# Altium PCB miniBackplane.PcbDoc (part 13 of 24) (continued)
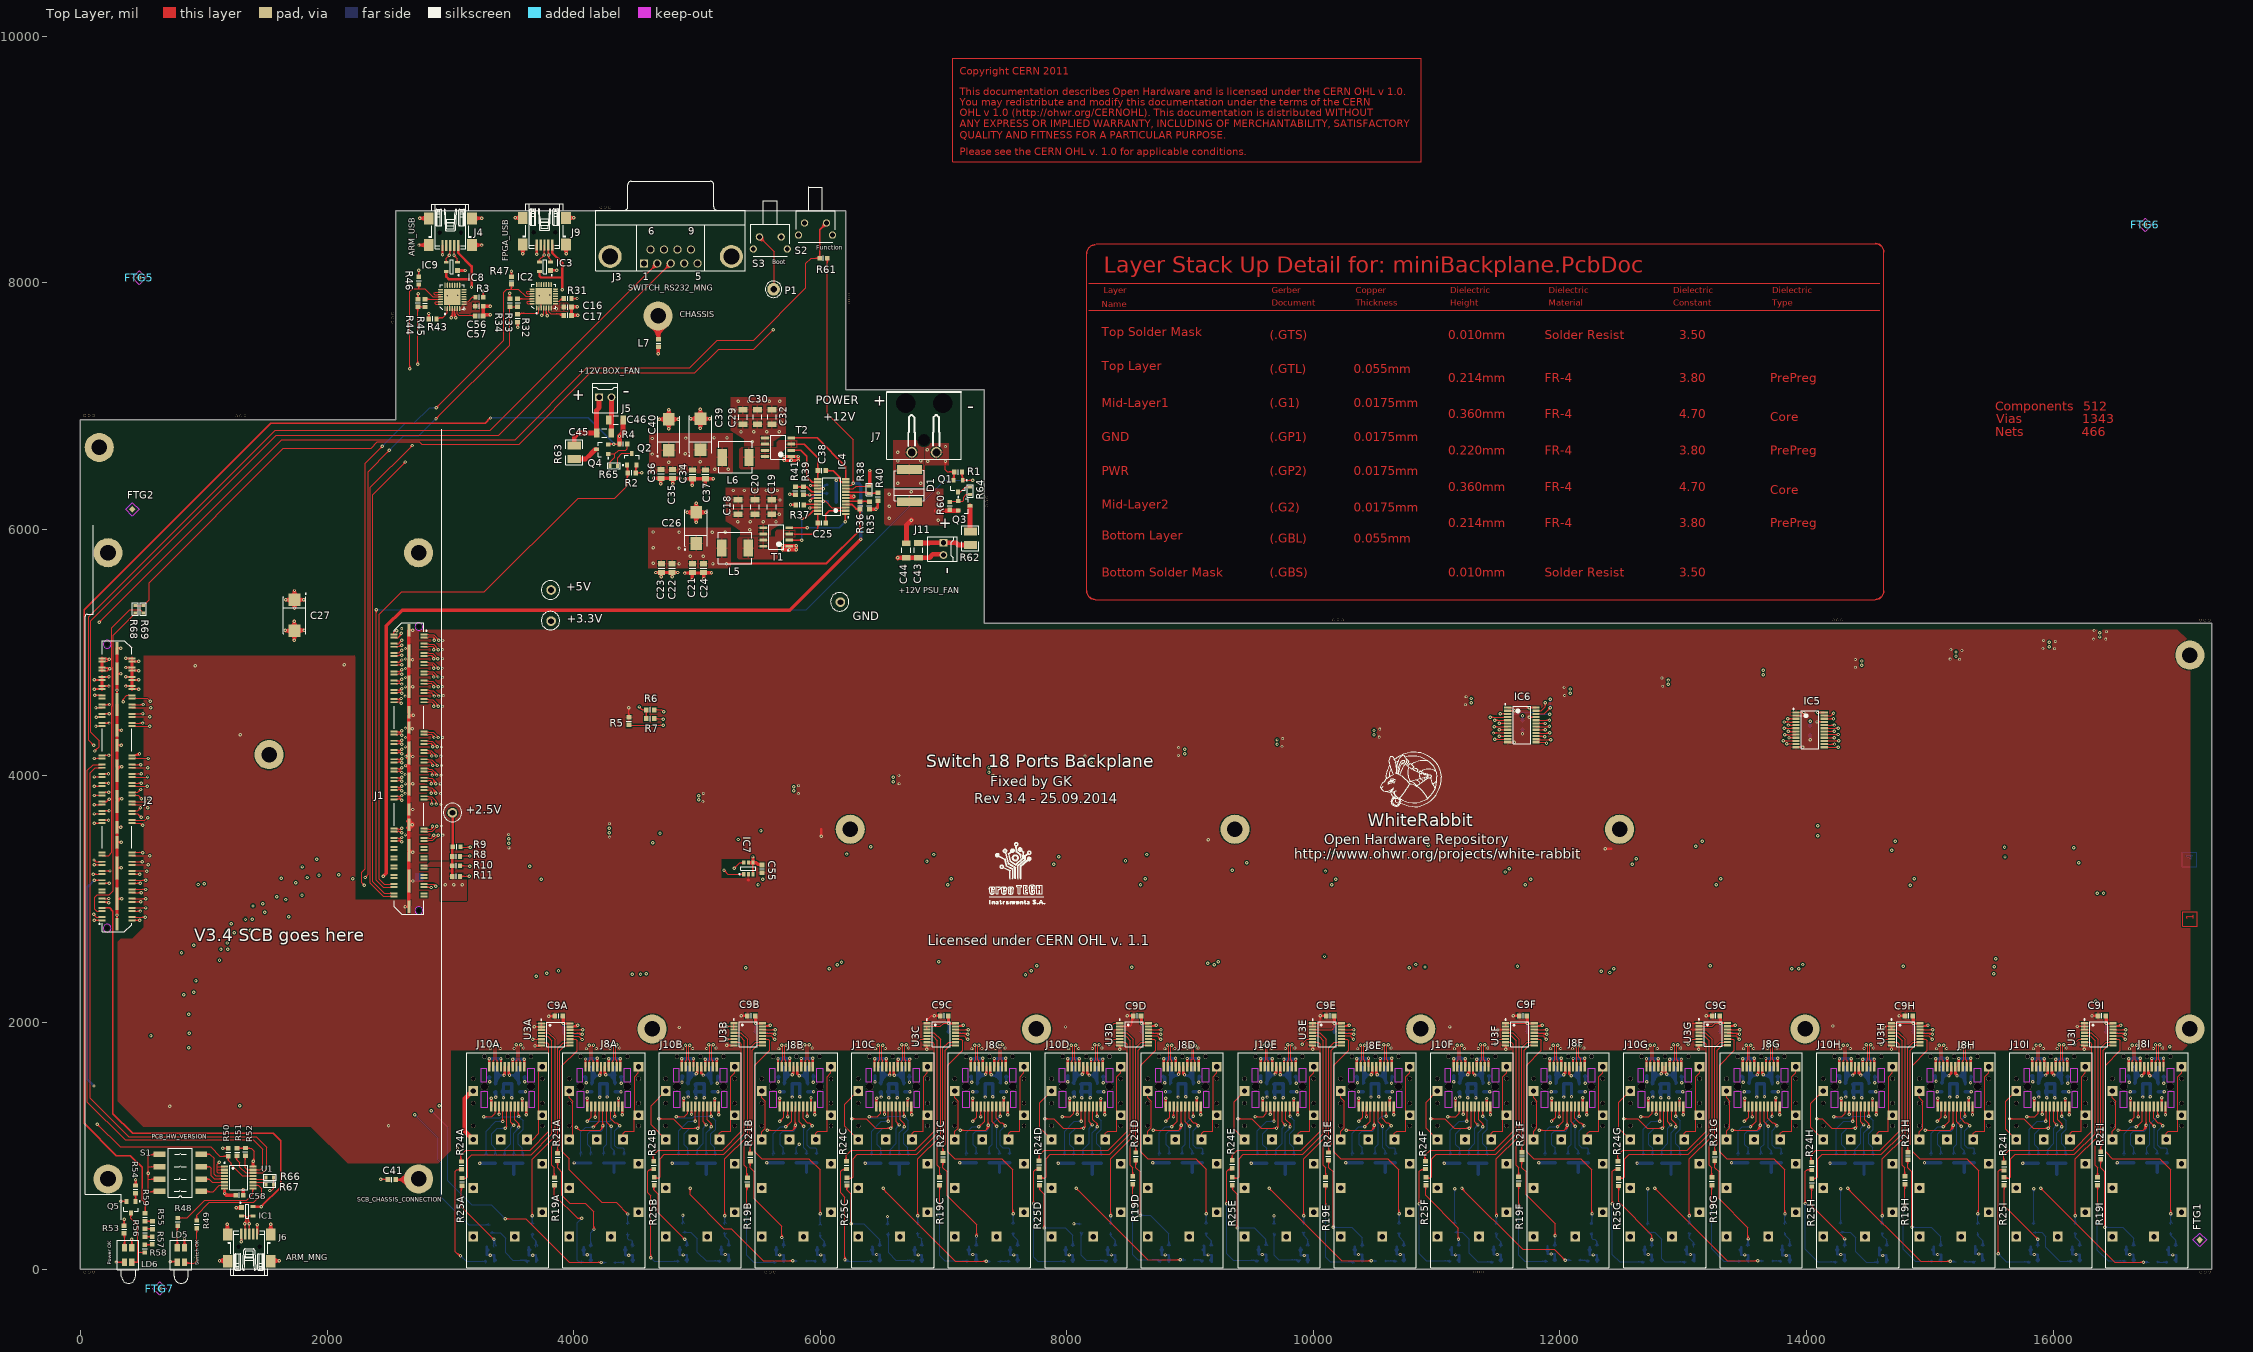
[diagram p0: Top Layer view]
## Nets (pads, with @x,y where several pads share a name; then routed paths per layer and width w, separated by ;. In a path a pad name is that pad's centre, name@x,y a point inside that pad or via, vN(x,y) a via of type N, cw(c..) or ccw(c..) an arc to the next point about the centre after c; other vN are vias at no path point) (continued)
  Mid-Layer 2 w7.09: v1(9342.52,3236.22) 9342.52,2193.33 9387.18,2148.67 9387.18,1265.56 9481.81,1170.93 9546.81,1170.93 ; 9546.81,1170.19 9575.24,1198.62 v1(9681.13,1198.62) ; 9342.52,3211.51 ccw(c9317.81,3211.51) 9335.28,3228.98 cw(c9317.81,3211.51) 9342.52,3211.51 ; 9342.52,3211.51 cw(c9367.23,3211.51) 9349.76,3228.98 ccw(c9367.23,3211.51) 9342.52,3211.51 ; 9656.41,1198.62 ccw(c9656.41,1223.33) 9673.89,1205.86 cw(c9656.41,1223.33) 9656.41,1198.62 ; 9656.41,1198.62 cw(c9656.41,1173.91) 9673.89,1191.38 ccw(c9656.41,1173.91) 9656.41,1198.62
  Bottom Layer w7.87: R29E.1@9546.81,922.53 9546.81,1122.6 9622.83,1198.62 v1(9681.13,1198.62) ; 9546.81,955.79 ccw(c9580.08,955.79) 9556.55,932.27 cw(c9580.08,955.79) 9546.81,955.79 ; 9546.81,955.79 cw(c9513.54,955.79) 9537.07,932.27 ccw(c9513.54,955.79) 9546.81,955.79 ; 9657.36,1198.62 ccw(c9657.36,1222.38) 9674.17,1205.58 cw(c9657.36,1222.38) 9657.36,1198.62 ; 9657.36,1198.62 cw(c9657.36,1174.86) 9674.17,1191.66 ccw(c9657.36,1174.86) 9657.36,1198.62
I2C_DL_SD9: IC6.19 J8E.4 R15E.1 | length 6808.5
  Top Layer w7.87: v1@10415.73,1155.55 ccw(c10411.96,1173.96) 10430.12,1169.1 ; v1(10416.13,1153.62) 10463.15,1200.65 J8E.4@10463.15,1320.05 ; v1@10418.05,1153.23 cw(c10436.47,1149.46) 10431.6,1167.61 ; IC6.19@11805.75,4425.71 11806.26,4425.2 v1(11879.92,4425.2) ; 10432.93,1170.42 ccw(c10449.73,1153.62) 10425.97,1153.62 cw(c10449.73,1153.62) 10432.93,1170.42 ; 10432.93,1170.42 cw(c10416.13,1187.23) 10416.13,1163.46 ccw(c10416.13,1187.23) 10432.93,1170.42 ; 10463.15,1274.6 ccw(c10448.89,1274.6) 10458.97,1284.68 cw(c10448.89,1274.6) 10463.15,1274.6 ; 10463.15,1274.6 cw(c10477.41,1274.6) 10467.33,1284.68 ccw(c10477.41,1274.6) 10463.15,1274.6 ; 11856.16,4425.2 ccw(c11856.16,4448.96) 11872.96,4432.16 cw(c11856.16,4448.96) 11856.16,4425.2 ; 11856.16,4425.2 cw(c11856.16,4401.43) 11872.96,4418.24 ccw(c11856.16,4401.43) 11856.16,4425.2 ; IC6.19@11829.9,4422.23 cw(c11837.06,4415.06) 11837.06,4425.2 ccw(c11837.06,4415.06) IC6.19@11829.9,4422.23 ; IC6.19@11829.9,4429.19 ccw(c11839.53,4438.82) 11839.53,4425.2 cw(c11839.53,4438.82) IC6.19@11829.9,4429.19
  Mid-Layer 1 w7.09: v1(10098.43,3228.35) 10098.43,3362.2 10334.65,3598.43 11736.22,3598.43 12173.23,4035.43 12173.23,4374.02 12122.05,4425.2 v1(11879.92,4425.2) ; 10098.43,3253.06 ccw(c10123.14,3253.06) 10105.66,3235.58 cw(c10123.14,3253.06) 10098.43,3253.06 ; 10098.43,3253.06 cw(c10073.71,3253.06) 10091.19,3235.58 ccw(c10073.71,3253.06) 10098.43,3253.06 ; 11904.63,4425.2 ccw(c11904.63,4400.48) 11887.16,4417.96 cw(c11904.63,4400.48) 11904.63,4425.2 ; 11904.63,4425.2 cw(c11904.63,4449.91) 11887.16,4432.43 ccw(c11904.63,4449.91) 11904.63,4425.2
  Mid-Layer 2 w7.09: v1(10098.43,3228.35) 10098.43,2625.98 10025.71,2553.27 10025.71,1923.11 10107.18,1841.64 10107.18,1335.56 10289.12,1153.62 10316.13,1153.62 v1(10416.13,1153.62) ; 10098.43,3203.63 ccw(c10073.71,3203.63) 10091.19,3221.11 cw(c10073.71,3203.63) 10098.43,3203.63 ; 10098.43,3203.63 cw(c10123.14,3203.63) 10105.66,3221.11 ccw(c10123.14,3203.63) 10098.43,3203.63 ; 10391.41,1153.62 ccw(c10391.41,1178.33) 10408.89,1160.86 cw(c10391.41,1178.33) 10391.41,1153.62 ; 10391.41,1153.62 cw(c10391.41,1128.91) 10408.89,1146.38 ccw(c10391.41,1128.91) 10391.41,1153.62
  Bottom Layer w7.87: R15E.1@10316.13,918.62 R15E.1@10316.13,925.12 10316.13,1100.57 10369.17,1153.62 v1(10416.13,1153.62) ; 10316.13,958.38 ccw(c10349.39,958.38) 10325.87,934.86 cw(c10349.39,958.38) 10316.13,958.38 ; 10316.13,958.38 cw(c10282.86,958.38) 10306.38,934.86 ccw(c10282.86,958.38) 10316.13,958.38 ; 10392.36,1153.62 ccw(c10392.36,1177.38) 10409.17,1160.58 cw(c10392.36,1177.38) 10392.36,1153.62 ; 10392.36,1153.62 cw(c10392.36,1129.86) 10409.17,1146.66 ccw(c10392.36,1129.86) 10392.36,1153.62
I2C_DL_SD10: IC6.13 J10D.4 R29D.1 | length 8331.9
  Top Layer w7.87: v1@8118.15,1200.65 J10D.4@8118.15,1320.05 ; IC6.13@11814.96,4271.65 v1@11891.73,4271.65 ; 8118.15,1274.6 ccw(c8103.89,1274.6) 8113.97,1284.68 cw(c8103.89,1274.6) 8118.15,1274.6 ; 8118.15,1274.6 cw(c8132.41,1274.6) 8122.33,1284.68 ccw(c8132.41,1274.6) 8118.15,1274.6 ; v1@8109.17,1205.58 ccw(c8087.48,1227.27) 8118.15,1227.27 cw(c8087.48,1227.27) v1@8109.17,1205.58 ; 8118.15,1217.5 ccw(c8135,1217.5) 8123.09,1205.58 cw(c8135,1217.5) 8118.15,1217.5 ; IC6.13@11829.9,4268.69 cw(c11837.06,4261.52) 11837.06,4271.65 ccw(c11837.06,4261.52) IC6.13@11829.9,4268.69 ; IC6.13@11829.9,4275.65 ccw(c11839.53,4285.28) 11839.53,4271.65 cw(c11839.53,4285.28) IC6.13@11829.9,4275.65
  Mid-Layer 1 w7.09: v1(7893.7,3283.46) 7893.7,3370.08 8177.17,3653.54 9216.54,3653.54 9413.39,3850.39 11574.8,3850.39 11924.21,4199.8 11924.21,4239.17 11891.73,4271.65 11891.33,4271.25 v1(11891.33,4265.96) ; v1@11887.67,4264.49 ccw(c11905.11,4271.47) 11900.25,4253.33 ; v1@11894.25,4267.13 ccw(c11921.52,4278.03) 11913.92,4249.67 ; 7893.7,3308.18 ccw(c7918.41,3308.18) 7900.94,3290.7 cw(c7918.41,3308.18) 7893.7,3308.18 ; 7893.7,3308.18 cw(c7868.99,3308.18) 7886.46,3290.7 ccw(c7868.99,3308.18) 7893.7,3308.18 ; v1@11891.33,4255.72 cw(c11891.33,4216.28) 11919.22,4244.17 ccw(c11891.33,4216.28) v1@11891.33,4255.72 ; v1@11891.33,4262.81 cw(c11891.33,4240.47) 11907.12,4256.27 ccw(c11891.33,4240.47) v1@11891.33,4262.81 ; v1@11901.56,4265.96 ccw(c11911.55,4265.96) 11904.49,4258.9 cw(c11911.55,4265.96) v1@11901.56,4265.96
  Mid-Layer 2 w7.09: v1(7893.7,3283.46) 7825.71,3215.47 7825.71,2170.77 7948.82,2047.66 7948.82,1775.19 7822.18,1648.55 7822.18,1265.56 7916.81,1170.93 7981.81,1170.93 ; 7981.81,1170.19 8010.24,1198.62 v1(8116.13,1198.62) ; 7876.23,3265.99 ccw(c7858.75,3283.46) 7883.46,3283.46 cw(c7858.75,3283.46) 7876.23,3265.99 ; 7876.23,3265.99 cw(c7893.7,3248.52) 7893.7,3273.23 ccw(c7893.7,3248.52) 7876.23,3265.99 ; 8091.41,1198.62 ccw(c8091.41,1223.33) 8108.89,1205.86 cw(c8091.41,1223.33) 8091.41,1198.62 ; 8091.41,1198.62 cw(c8091.41,1173.91) 8108.89,1191.38 ccw(c8091.41,1173.91) 8091.41,1198.62
  Bottom Layer w7.87: R29D.1@7981.81,922.53 7981.81,1117.81 8062.62,1198.62 v1(8116.13,1198.62) ; 7981.81,955.79 ccw(c8015.08,955.79) 7991.55,932.27 cw(c8015.08,955.79) 7981.81,955.79 ; 7981.81,955.79 cw(c7948.54,955.79) 7972.07,932.27 ccw(c7948.54,955.79) 7981.81,955.79 ; 8092.36,1198.62 ccw(c8092.36,1222.38) 8109.17,1205.58 cw(c8092.36,1222.38) 8092.36,1198.62 ; 8092.36,1198.62 cw(c8092.36,1174.86) 8109.17,1191.66 ccw(c8092.36,1174.86) 8092.36,1198.62
I2C_DL_SD11: IC6.15 J8D.4 R15D.1 | length 7993.2
  Top Layer w7.87: v1@8850.73,1155.55 ccw(c8846.96,1173.96) 8865.12,1169.1 ; v1(8851.13,1153.62) 8898.15,1200.65 J8D.4@8898.15,1320.05 ; v1@8853.05,1153.23 cw(c8871.47,1149.46) 8866.6,1167.61 ; IC6.15@11805.75,4323.35 v1@11872.52,4323.35 ; 8867.93,1170.42 ccw(c8884.73,1153.62) 8860.97,1153.62 cw(c8884.73,1153.62) 8867.93,1170.42 ; 8867.93,1170.42 cw(c8851.13,1187.23) 8851.13,1163.46 ccw(c8851.13,1187.23) 8867.93,1170.42 ; 8898.15,1274.6 ccw(c8883.89,1274.6) 8893.97,1284.68 cw(c8883.89,1274.6) 8898.15,1274.6 ; 8898.15,1274.6 cw(c8912.41,1274.6) 8902.33,1284.68 ccw(c8912.41,1274.6) 8898.15,1274.6 ; 11838.3,4323.35 ccw(c11838.3,4311.47) 11829.9,4319.87 cw(c11838.3,4311.47) 11838.3,4323.35 ; 11838.3,4323.35 cw(c11838.3,4335.23) 11829.9,4326.83 ccw(c11838.3,4335.23) 11838.3,4323.35 ; 11841.07,4323.35 cw(c11841.07,4281.04) 11870.99,4310.95 ccw(c11841.07,4281.04) 11841.07,4323.35 ; 11860.08,4323.35 cw(c11860.08,4300.04) 11876.56,4316.52 ccw(c11860.08,4300.04) 11860.08,4323.35
  Mid-Layer 1 w7.09: v1(8476.38,3311.02) 8476.38,3346.46 8527.56,3397.64 9454.39,3397.64 9820.54,3763.78 11629.92,3763.78 12038.39,4172.24 12038.39,4297.24 12016.73,4318.9 v1@11877.95,4318.9 ; v1@11872.52,4323.35 v1(11877.95,4317.91) ; 8476.38,3335.74 ccw(c8501.09,3335.74) 8483.62,3318.26 cw(c8501.09,3335.74) 8476.38,3335.74 ; 8476.38,3335.74 cw(c8451.67,3335.74) 8469.14,3318.26 ccw(c8451.67,3335.74) 8476.38,3335.74 ; v1@11885.19,4310.68 cw(c11905.04,4290.82) 11905.04,4318.9 ccw(c11905.04,4290.82) v1@11885.19,4310.68 ; v1@11885.19,4325.15 ccw(c11900.29,4340.25) 11900.29,4318.9 cw(c11900.29,4340.25) v1@11885.19,4325.15
  Mid-Layer 2 w7.09: v1(8476.38,3311.02) 8476.38,3169.29 8460.71,3153.62 8460.71,2027.03 8492.18,1995.56 8492.18,1755.56 8542.18,1705.56 8542.18,1335.56 8724.12,1153.62 v1(8851.13,1153.62) ; 8476.38,3286.31 ccw(c8451.67,3286.31) 8469.14,3303.79 cw(c8451.67,3286.31) 8476.38,3286.31 ; 8476.38,3286.31 cw(c8501.09,3286.31) 8483.62,3303.79 ccw(c8501.09,3286.31) 8476.38,3286.31 ; 8826.41,1153.62 ccw(c8826.41,1178.33) 8843.89,1160.86 cw(c8826.41,1178.33) 8826.41,1153.62 ; 8826.41,1153.62 cw(c8826.41,1128.91) 8843.89,1146.38 ccw(c8826.41,1128.91) 8826.41,1153.62
  Bottom Layer w7.87: R15D.1@8751.13,918.62 R15D.1@8751.13,925.12 8751.13,1107.13 8797.62,1153.62 v1(8851.13,1153.62) ; 8751.13,958.38 ccw(c8784.39,958.38) 8760.87,934.86 cw(c8784.39,958.38) 8751.13,958.38 ; 8751.13,958.38 cw(c8717.86,958.38) 8741.38,934.86 ccw(c8717.86,958.38) 8751.13,958.38 ; 8827.36,1153.62 ccw(c8827.36,1177.38) 8844.17,1160.58 cw(c8827.36,1177.38) 8827.36,1153.62 ; 8827.36,1153.62 cw(c8827.36,1129.86) 8844.17,1146.66 ccw(c8827.36,1129.86) 8827.36,1153.62
I2C_DL_SD12: IC6.8 J10C.4 R29C.1 | length 9396.7
  Top Layer w7.87: v1@6553.15,1200.65 J10C.4@6553.15,1320.05 ; v1@11507.66,4374.02 v1@11508.44,4373.24 ; v1(11508.44,4374.23) v1@11508.44,4373.24 ; IC6.8@11577.4,4374.53 11509.72,4374.53 v1@11508.44,4373.24 ; 11544.85,4374.53 ccw(c11544.85,4386.41) 11553.25,4378.01 cw(c11544.85,4386.41) 11544.85,4374.53 ; 11544.85,4374.53 cw(c11544.85,4362.65) 11553.25,4371.05 ccw(c11544.85,4362.65) 11544.85,4374.53 ; v1@6544.17,1205.58 ccw(c6522.48,1227.27) 6553.15,1227.27 cw(c6522.48,1227.27) v1@6544.17,1205.58 ; J10C.4@6546.47,1284.68 cw(c6530.36,1268.57) 6553.15,1268.57 ccw(c6530.36,1268.57) J10C.4@6546.47,1284.68 ; 6553.15,1217.5 ccw(c6570,1217.5) 6558.09,1205.58 cw(c6570,1217.5) 6553.15,1217.5 ; v1@11515.4,4367.27 cw(c11532.92,4349.75) 11532.92,4374.53 ccw(c11532.92,4349.75) v1@11515.4,4367.27 ; v1@11515.4,4381.19 ccw(c11531.48,4397.27) 11531.48,4374.53 cw(c11531.48,4397.27) v1@11515.4,4381.19
  Mid-Layer 1 w7.09: v1@6406.74,3425.58 cw(c6423.63,3419.34) 6418.97,3436.74 ; v1@6413.39,3423.12 cw(c6439.36,3413.54) 6432.19,3440.28 ; v1@6419.53,3428.27 6518.82,3527.56 7515.75,3527.56 7877.95,3889.76 9133.86,3889.76 9287.4,4043.31 11082.68,4043.31 11413.9,4374.53 v1@11507.66,4374.53 ; v1@6410.43,3427.36 ccw(c6410.43,3447.13) 6424.41,3433.15 cw(c6410.43,3447.13) v1@6410.43,3427.36 ; v1@6410.43,3434.45 ccw(c6410.43,3471.33) 6436.51,3445.25 cw(c6410.43,3471.33) v1@6410.43,3434.45 ; v1@6420.67,3424.21 cw(c6433.22,3424.21) 6424.34,3433.08 ccw(c6433.22,3424.21) v1@6420.67,3424.21 ; 11483,4374.53 cw(c11483,4348.8) 11501.2,4366.99 ccw(c11483,4348.8) 11483,4374.53 ; 11484.44,4374.53 ccw(c11484.44,4398.22) 11501.2,4381.47 cw(c11484.44,4398.22) 11484.44,4374.53
  Mid-Layer 2 w7.09: v1(6410.43,3424.21) 6247.18,3260.96 6247.18,1275.56 6351.81,1170.93 6416.81,1170.93 ; 6416.81,1170.19 6445.24,1198.62 v1(6551.13,1198.62) ; 6392.96,3406.74 ccw(c6375.48,3424.21) 6400.2,3424.21 cw(c6375.48,3424.21) 6392.96,3406.74 ; 6392.96,3406.74 cw(c6410.43,3389.26) 6410.43,3413.98 ccw(c6410.43,3389.26) 6392.96,3406.74 ; 6526.41,1198.62 ccw(c6526.41,1223.33) 6543.89,1205.86 cw(c6526.41,1223.33) 6526.41,1198.62 ; 6526.41,1198.62 cw(c6526.41,1173.91) 6543.89,1191.38 ccw(c6526.41,1173.91) 6526.41,1198.62
  Bottom Layer w7.87: R29C.1@6416.81,922.53 6416.81,1118.39 6497.05,1198.62 v1(6551.13,1198.62) ; 6416.81,955.79 ccw(c6450.08,955.79) 6426.55,932.27 cw(c6450.08,955.79) 6416.81,955.79 ; 6416.81,955.79 cw(c6383.54,955.79) 6407.07,932.27 ccw(c6383.54,955.79) 6416.81,955.79 ; 6527.36,1198.62 ccw(c6527.36,1222.38) 6544.17,1205.58 cw(c6527.36,1222.38) 6527.36,1198.62 ; 6527.36,1198.62 cw(c6527.36,1174.86) 6544.17,1191.66 ccw(c6527.36,1174.86) 6527.36,1198.62
I2C_DL_SD13: IC6.10 J8C.4 R15C.1 | length 8766.6
  Top Layer w7.87: v1@7285.73,1155.55 ccw(c7281.96,1173.96) 7300.12,1169.1 ; v1(7286.13,1153.62) 7333.15,1200.65 J8C.4@7333.15,1320.05 ; v1@7288.05,1153.23 cw(c7306.47,1149.46) 7301.6,1167.61 ; v1@11507.1,4322.06 v1(11507.87,4322.83) 11508.39,4323.35 IC6.10@11577.4,4323.35 ; 7302.93,1170.42 ccw(c7319.73,1153.62) 7295.97,1153.62 cw(c7319.73,1153.62) 7302.93,1170.42 ; 7302.93,1170.42 cw(c7286.13,1187.23) 7286.13,1163.46 ccw(c7286.13,1187.23) 7302.93,1170.42 ; 7333.15,1274.6 ccw(c7318.89,1274.6) 7328.97,1284.68 cw(c7318.89,1274.6) 7333.15,1274.6 ; 7333.15,1274.6 cw(c7347.41,1274.6) 7337.33,1284.68 ccw(c7347.41,1274.6) 7333.15,1274.6 ; 11544.85,4323.35 ccw(c11544.85,4335.23) 11553.25,4326.83 cw(c11544.85,4335.23) 11544.85,4323.35 ; 11544.85,4323.35 cw(c11544.85,4311.47) 11553.25,4319.87 ccw(c11544.85,4311.47) 11544.85,4323.35 ; v1@11514.83,4329.79 ccw(c11530.4,4345.36) 11530.4,4323.35 cw(c11530.4,4345.36) v1@11514.83,4329.79 ; v1@11514.83,4315.87 cw(c11532.87,4297.84) 11532.87,4323.35 ccw(c11532.87,4297.84) v1@11514.83,4315.87
  Mid-Layer 1 w7.09: v1(6921.26,3362.2) 6956.69,3397.64 7688.98,3397.64 8122.05,3830.71 9208.66,3830.71 9354.33,3976.38 11105.31,3976.38 11451.77,4322.83 v1(11507.87,4322.83) ; 6938.73,3379.68 ccw(c6956.21,3362.2) 6931.5,3362.2 cw(c6956.21,3362.2) 6938.73,3379.68 ; 6938.73,3379.68 cw(c6921.26,3397.15) 6921.26,3372.44 ccw(c6921.26,3397.15) 6938.73,3379.68 ; 11483.16,4322.83 ccw(c11483.16,4347.55) 11500.64,4330.07 cw(c11483.16,4347.55) 11483.16,4322.83 ; 11483.16,4322.83 cw(c11483.16,4298.12) 11500.64,4315.6 ccw(c11483.16,4298.12) 11483.16,4322.83
  Mid-Layer 2 w7.09: v1(6921.26,3362.2) 6895.71,3336.65 6895.71,2027.03 6927.18,1995.56 6927.18,1755.56 6977.18,1705.56 6977.18,1335.56 7159.12,1153.62 v1(7286.13,1153.62) ; 6903.79,3344.73 ccw(c6886.31,3362.2) 6911.02,3362.2 cw(c6886.31,3362.2) 6903.79,3344.73 ; 6903.79,3344.73 cw(c6921.26,3327.26) 6921.26,3351.97 ccw(c6921.26,3327.26) 6903.79,3344.73 ; 7261.41,1153.62 ccw(c7261.41,1178.33) 7278.89,1160.86 cw(c7261.41,1178.33) 7261.41,1153.62 ; 7261.41,1153.62 cw(c7261.41,1128.91) 7278.89,1146.38 ccw(c7261.41,1128.91) 7261.41,1153.62
  Bottom Layer w7.87: R15C.1@7186.13,918.62 R15C.1@7186.13,925.12 7186.13,1106.4 7233.35,1153.62 v1(7286.13,1153.62) ; 7186.13,958.38 ccw(c7219.39,958.38) 7195.87,934.86 cw(c7219.39,958.38) 7186.13,958.38 ; 7186.13,958.38 cw(c7152.86,958.38) 7176.38,934.86 ccw(c7152.86,958.38) 7186.13,958.38 ; 7262.36,1153.62 ccw(c7262.36,1177.38) 7279.17,1160.58 cw(c7262.36,1177.38) 7262.36,1153.62 ; 7262.36,1153.62 cw(c7262.36,1129.86) 7279.17,1146.66 ccw(c7262.36,1129.86) 7262.36,1153.62
I2C_DL_SD14: IC6.4 J10B.4 R29B.1 | length 11180.2
  Top Layer w7.87: v1@4988.15,1200.64 J10B.4@4988.15,1320.04 ; v1(11436.02,4476.89) 11436.5,4477.36 11483.04,4477.36 11483.51,4476.89 IC6.4@11577.4,4476.89 ; 4988.15,1274.6 ccw(c4973.89,1274.6) 4983.97,1284.68 cw(c4973.89,1274.6) 4988.15,1274.6 ; 4988.15,1274.6 cw(c5002.41,1274.6) 4992.33,1284.68 ccw(c5002.41,1274.6) 4988.15,1274.6 ; 11544.85,4476.89 ccw(c11544.85,4488.77) 11553.25,4480.37 cw(c11544.85,4488.77) 11544.85,4476.89 ; 11544.85,4476.89 cw(c11544.85,4465.01) 11553.25,4473.41 ccw(c11544.85,4465.01) 11544.85,4476.89 ; v1@4979.17,1205.57 ccw(c4957.48,1227.26) 4988.15,1227.26 cw(c4957.48,1227.26) v1@4979.17,1205.57 ; 4988.15,1217.49 ccw(c5005,1217.49) 4993.09,1205.57 cw(c5005,1217.49) 4988.15,1217.49 ; v1@11442.98,4469.93 cw(c11460.93,4451.99) 11460.93,4477.36 ccw(c11460.93,4451.99) v1@11442.98,4469.93 ; v1@11442.98,4483.85 ccw(c11458.64,4499.51) 11458.64,4477.36 cw(c11458.64,4499.51) v1@11442.98,4483.85
  Mid-Layer 1 w7.09: v1(4700.79,3535.43) 5102.36,3535.43 5385.83,3818.9 6748.03,3818.9 6889.76,3960.63 7511.81,3960.63 7614.17,4062.99 9035.43,4062.99 9161.42,4188.98 11068.9,4188.98 11356.81,4476.89 v1(11436.02,4476.89) ; 4725.5,3535.43 ccw(c4725.5,3510.72) 4708.03,3528.2 cw(c4725.5,3510.72) 4725.5,3535.43 ; 4725.5,3535.43 cw(c4725.5,3560.15) 4708.03,3542.67 ccw(c4725.5,3560.15) 4725.5,3535.43 ; 11411.31,4476.89 ccw(c11411.31,4501.6) 11428.79,4484.13 cw(c11411.31,4501.6) 11411.31,4476.89 ; 11411.31,4476.89 cw(c11411.31,4452.18) 11428.79,4469.65 ccw(c11411.31,4452.18) 11411.31,4476.89
  Mid-Layer 2 w7.09: v1@4699.16,3535.43 4699.16,2131.55 4811.02,2019.69 4811.02,1822.43 4695.63,1707.03 4695.63,1262.1 4786.81,1170.92 4851.81,1170.92 ; 4851.81,1170.18 4880.24,1198.61 v1(4986.13,1198.61) ; 4961.41,1198.61 ccw(c4961.41,1223.33) 4978.89,1205.85 cw(c4961.41,1223.33) 4961.41,1198.61 ; 4961.41,1198.61 cw(c4961.41,1173.9) 4978.89,1191.38 ccw(c4961.41,1173.9) 4961.41,1198.61 ; v1@4693.55,3528.2 cw(c4680.01,3514.66) 4699.16,3514.66 ccw(c4680.01,3514.66) v1@4693.55,3528.2 ; 4699.16,3506.79 cw(c4729.43,3506.79) 4708.03,3528.2 ccw(c4729.43,3506.79) 4699.16,3506.79
  Bottom Layer w7.87: R29B.1@4851.81,922.52 4851.81,1121.5 4928.93,1198.61 v1(4986.13,1198.61) ; 4851.81,955.79 ccw(c4885.08,955.79) 4861.55,932.26 cw(c4885.08,955.79) 4851.81,955.79 ; 4851.81,955.79 cw(c4818.54,955.79) 4842.07,932.26 ccw(c4818.54,955.79) 4851.81,955.79 ; 4962.36,1198.61 ccw(c4962.36,1222.38) 4979.17,1205.57 cw(c4962.36,1222.38) 4962.36,1198.61 ; 4962.36,1198.61 cw(c4962.36,1174.85) 4979.17,1191.65 ccw(c4962.36,1174.85) 4962.36,1198.61
I2C_DL_SD15: IC6.6 J8B.4 R15B.1 | length 10388.6
  Top Layer w7.87: v1@5720.73,1155.54 ccw(c5716.96,1173.96) 5735.12,1169.09 ; v1(5721.13,1153.61) 5768.15,1200.64 J8B.4@5768.15,1320.04 ; v1@5723.05,1153.22 cw(c5741.47,1149.45) 5736.6,1167.6 ; v1(11507.87,4426.18) 11508.35,4425.71 IC6.6@11577.4,4425.71 ; 5737.93,1170.42 ccw(c5754.73,1153.61) 5730.97,1153.61 cw(c5754.73,1153.61) 5737.93,1170.42 ; 5737.93,1170.42 cw(c5721.13,1187.22) 5721.13,1163.46 ccw(c5721.13,1187.22) 5737.93,1170.42 ; 5768.15,1274.6 ccw(c5753.89,1274.6) 5763.97,1284.68 cw(c5753.89,1274.6) 5768.15,1274.6 ; 5768.15,1274.6 cw(c5782.41,1274.6) 5772.33,1284.68 ccw(c5782.41,1274.6) 5768.15,1274.6 ; 11544.85,4425.71 ccw(c11544.85,4437.59) 11553.25,4429.19 cw(c11544.85,4437.59) 11544.85,4425.71 ; 11544.85,4425.71 cw(c11544.85,4413.83) 11553.25,4422.23 ccw(c11544.85,4413.83) 11544.85,4425.71 ; v1@11514.83,4433.14 ccw(c11532.78,4451.08) 11532.78,4425.71 cw(c11532.78,4451.08) v1@11514.83,4433.14 ; v1@11514.83,4419.22 cw(c11530.5,4403.56) 11530.5,4425.71 ccw(c11530.5,4403.56) v1@11514.83,4419.22
  Mid-Layer 1 w7.09: v1(5519.68,3554.49) 5713.23,3748.03 7480.31,3748.03 7712.6,3980.32 9102.36,3980.32 9244.09,4122.05 11082.68,4122.05 11386.34,4425.71 v1@11507.87,4425.71 ; 5537.16,3571.96 ccw(c5554.63,3554.49) 5529.92,3554.49 cw(c5554.63,3554.49) 5537.16,3571.96 ; 5537.16,3571.96 cw(c5519.68,3589.44) 5519.68,3564.72 ccw(c5519.68,3589.44) 5537.16,3571.96 ; 11482.02,4425.71 ccw(c11482.02,4452.03) 11500.64,4433.42 cw(c11482.02,4452.03) 11482.02,4425.71 ; 11484.3,4425.71 cw(c11484.3,4402.61) 11500.64,4418.94 ccw(c11484.3,4402.61) 11484.3,4425.71
  Mid-Layer 2 w7.09: v1@5521.97,3556.77 5330.71,3365.51 5330.71,1933.07 5412.18,1851.6 5412.18,1335.55 5594.12,1153.61 v1(5721.13,1153.61) ; 5502.21,3537.01 ccw(c5484.74,3554.49) 5509.45,3554.49 cw(c5484.74,3554.49) 5502.21,3537.01 ; 5502.21,3537.01 cw(c5519.68,3519.54) 5519.68,3544.25 ccw(c5519.68,3519.54) 5502.21,3537.01 ; 5696.41,1153.61 ccw(c5696.41,1178.33) 5713.89,1160.85 cw(c5696.41,1178.33) 5696.41,1153.61 ; 5696.41,1153.61 cw(c5696.41,1128.9) 5713.89,1146.38 ccw(c5696.41,1128.9) 5696.41,1153.61
  Bottom Layer w7.87: R15B.1@5621.13,918.61 R15B.1@5621.13,925.11 5621.13,1098.49 5676.25,1153.61 v1(5721.13,1153.61) ; 5621.13,958.38 ccw(c5654.39,958.38) 5630.87,934.85 cw(c5654.39,958.38) 5621.13,958.38 ; 5621.13,958.38 cw(c5587.86,958.38) 5611.38,934.85 ccw(c5587.86,958.38) 5621.13,958.38 ; 5697.36,1153.61 ccw(c5697.36,1177.38) 5714.17,1160.57 cw(c5697.36,1177.38) 5697.36,1153.61 ; 5697.36,1153.61 cw(c5697.36,1129.85) 5714.17,1146.65 ccw(c5697.36,1129.85) 5697.36,1153.61
LED_GREEN: R48.1 U1.9 | length 853.1
  Top Layer w7.87: R48.1@789,414.5 865.5,414.5 1010,559 1349,559 1397.66,607.66 U1.9@1397.66,648.95 ; 1397.66,632.15 cw(c1421.42,632.15) U1.9@1404.62,648.95 ; 824.24,414.5 ccw(c824.24,381.23) 800.71,404.75 cw(c824.24,381.23) 824.24,414.5 ; 824.24,414.5 cw(c824.24,447.76) 800.71,424.24 ccw(c824.24,447.76) 824.24,414.5
LED_RED: R49.1 U1.10 | length 833.7
  Top Layer w7.87: R49.1@932.29,403.24 ccw(c908.84,426.69) 942,426.69 ; R49.1@942,397 942,437 1045,540 1404,540 1468.98,604.98 1468.98,653.02 1443.98,678.02 U1.10@1401.14,678.02 ; 942,426.84 ccw(c975.37,426.84) R49.1@951.78,403.24 ; U1.10@1424.31,674.54 cw(c1432.71,666.14) 1432.71,678.02 cw(c1432.71,689.9) U1.10@1424.31,681.5
MGTRX112_0_N: J1.3 J8I.12 | length 18332.7
  Top Layer w9.84: J1.3@2786.05,5122.49 2820.71,5122.49 2825.33,5127.12 2861.22,5127.12 ; v1(2870.08,5100.39) 2870.08,5118.26 ; J8I.12@16864.45,1669.3 16864.45,1690.56 16856.57,1698.43 16856.57,1810.72 ; v1(16866.42,1820.56) 16856.57,1810.72 ; 2861.22,5127.12 cw(c2849.47,5115.37) 2862.91,5105.6 ccw(c2849.47,5115.37) 2861.22,5127.12 ; 2861.22,5127.12 2870.08,5118.26 ; 2870.08,5118.26 ccw(c2883.66,5118.26) 2875.44,5107.44 cw(c2883.66,5118.26) 2870.08,5118.26 ; 2870.08,5118.26 cw(c2856.49,5118.26) 2864.72,5107.44 ccw(c2856.49,5118.26) 2870.08,5118.26 ; 16856.58,1810.72 ccw(c16851.97,1815.32) 16858.09,1817.54 cw(c16851.97,1815.32) 16856.58,1810.72 ; 16856.58,1810.72 cw(c16861.18,1806.12) 16863.4,1812.23 ccw(c16861.18,1806.12) 16856.58,1810.72 ; 16864.45,1682.63 ccw(c16876.33,1682.63) 16867.93,1674.23 cw(c16876.33,1682.63) 16864.45,1682.63 ; 16864.45,1682.63 cw(c16852.57,1682.63) 16860.97,1674.23 ccw(c16852.57,1682.63) 16864.45,1682.63 ; 2869.37,5118.97 cw(c2858.91,5108.51) 2870.87,5099.82 ccw(c2858.91,5108.51) 2869.37,5118.97
  Mid-Layer 1 w7.09: v1(2870.08,5100.39) 2879.92,5110.24 2879.92,5127.96 ; 16351.71,5157.46 cw(c16360.64,5142.1) v1@16372.87,5154.98 ; 16359.89,5162.21 cw(c16367.43,5149.24) v1@16377.75,5160.12 ; 16360.74,5154.84 cw(c16366.77,5144.4) v1@16373.88,5154.14 ; 16363.36,5156.35 ccw(c16356.2,5168.76) v1@16370.03,5165.05 ; v1(16379.92,5162.4) 16370.08,5152.56 2903.91,5152.56 2894.69,5143.33 2894.69,5142.73 2879.92,5127.96 ; 2879.92,5127.96 cw(c2861.19,5127.96) 2866.94,5110.14 ccw(c2861.19,5127.96) 2879.92,5127.96 ; v1@2869.11,5103.39 ccw(c2864.33,5118.23) 2879.92,5118.23 cw(c2864.33,5118.23) v1@2869.11,5103.39 ; 16331.45,5152.56 ccw(c16331.45,5210.88) 16372.68,5169.64 cw(c16331.45,5210.88) 16331.45,5152.56 ; 16348.56,5152.56 ccw(c16348.56,5193.77) 16377.69,5164.63 cw(c16348.56,5193.77) 16348.56,5152.56 ; 16365.66,5152.56 ccw(c16365.66,5176.66) 16382.71,5159.62 cw(c16365.66,5176.66) 16365.66,5152.56
  Mid-Layer 2 w7.09: v1(16379.92,5162.4) 16389.76,5152.56 16410.43,5152.56 ; v1@16856.57,1825.4 16856.57,1830.4 ; v1@16858.15,1826.6 ccw(c16848.42,1833.71) 16858.86,1839.74 ; v1@16859,1827.61 ccw(c16846.11,1839.84) 16861.48,1848.77 ; 16860.37,1837.12 ccw(c16872.77,1844.28) v1@16869.07,1830.45 ; v1@16864.13,1822.73 ccw(c16853.26,1833.05) 16866.23,1840.59 ; v1(16866.42,1820.56) 16856.57,1830.4 ; 16410.43,5152.56 cw(c16410.43,5175.54) 16389.32,5166.45 ccw(c16410.43,5175.54) 16410.43,5152.56 ; 16410.43,5152.56 16415.35,5147.64 16462.6,5147.64 16570.87,5039.37 16881.89,4728.35 16881.89,4606.3 16856.57,4580.98 16856.57,1830.4 ; v1@16382.81,5163.65 ccw(c16399.66,5170.91) 16399.66,5152.56 cw(c16399.66,5170.91) v1@16382.81,5163.65 ; 16856.57,1834.82 ccw(c16880.67,1834.82) 16863.63,1817.78 cw(c16880.67,1834.82) 16856.57,1834.82 ; 16856.57,1851.92 ccw(c16897.78,1851.92) 16868.64,1822.79 cw(c16897.78,1851.92) 16856.57,1851.92 ; 16856.57,1869.03 ccw(c16914.89,1869.03) 16873.66,1827.8 cw(c16914.89,1869.03) 16856.57,1869.03
MGTRX112_0_P: J1.1 J8I.13 | length 18223.5
  Top Layer w9.84: J1.1@2786.05,5147.49 2820.71,5147.49 2825.33,5142.87 2867.74,5142.87 2905.51,5105.1 v1(2905.51,5100.39) ; 2893.41,5112.48 ccw(c2912.01,5117.47) v1@2905.16,5099.47 ; v1(16830.98,1820.56) 16840.83,1810.72 ; J8I.13@16832.95,1673.24 16832.95,1690.56 16840.83,1698.43 16840.83,1810.72 ; 16832.95,1682.63 ccw(c16844.83,1682.63) 16836.43,1674.23 cw(c16844.83,1682.63) 16832.95,1682.63 ; 16832.95,1682.63 cw(c16821.07,1682.63) 16829.47,1674.23 ccw(c16821.07,1682.63) 16832.95,1682.63 ; 16840.83,1810.72 ccw(c16836.23,1806.12) 16834.01,1812.23 cw(c16836.23,1806.12) 16840.83,1810.72 ; 16840.83,1810.72 cw(c16845.43,1815.32) 16839.31,1817.54 ccw(c16845.43,1815.32) 16840.83,1810.72 ; 2887.06,5123.55 cw(c2863.91,5100.39) 2896.65,5100.39 ccw(c2863.91,5100.39) 2887.06,5123.55
  Mid-Layer 1 w7.09: v1(2905.51,5100.39) 2895.67,5110.24 2895.67,5121.44 ; 16351.71,5131.91 ccw(c16360.64,5147.27) v1@16372.87,5134.39 ; 16359.89,5127.16 ccw(c16367.43,5140.13) v1@16377.75,5129.25 ; 16360.74,5134.53 ccw(c16366.77,5144.97) v1@16373.88,5135.23 ; 16363.36,5133.02 cw(c16356.2,5120.61) v1@16370.03,5124.32 ; v1(16379.92,5126.97) 16370.08,5136.81 2910.43,5136.81 2910.43,5136.21 2895.67,5121.44 ; 2895.67,5121.44 ccw(c2906.5,5121.44) 2905.99,5110.62 cw(c2906.5,5121.44) 2895.67,5121.44 ; 2895.67,5114.01 ccw(c2906.15,5114.01) 2905.66,5103.54 cw(c2906.15,5114.01) 2895.67,5114.01 ; 16331.45,5136.81 cw(c16331.45,5078.49) 16372.68,5119.73 ccw(c16331.45,5078.49) 16331.45,5136.81 ; 16348.56,5136.81 cw(c16348.56,5095.6) 16377.69,5124.74 ccw(c16348.56,5095.6) 16348.56,5136.81 ; 16365.66,5136.81 cw(c16365.66,5112.71) 16382.71,5129.75 ccw(c16365.66,5112.71) 16365.66,5136.81
  Mid-Layer 2 w7.09: v1(16379.92,5126.97) 16384.84,5131.89 16456.08,5131.89 16564.34,5023.62 16866.14,4721.82 16866.14,4612.82 16840.83,4587.51 16840.83,1830.4 ; v1@16828.33,1830.45 ccw(c16824.63,1844.28) 16837.03,1837.12 ; v1(16830.98,1820.56) 16840.83,1830.4 ; 16831.17,1840.59 ccw(c16844.14,1833.05) v1@16833.27,1822.73 ; 16835.93,1848.77 ccw(c16851.29,1839.84) v1@16838.41,1827.61 ; 16838.54,1839.74 ccw(c16848.99,1833.71) v1@16839.25,1826.6 ; v1@16840.83,1825.4 16840.83,1830.4 ; v1@16382.15,5124.74 cw(c16399.41,5107.48) 16399.41,5131.89 ccw(c16399.41,5107.48) v1@16382.15,5124.74 ; v1@16387.16,5119.73 cw(c16416.51,5090.37) 16416.51,5131.89 ccw(c16416.51,5090.37) v1@16387.16,5119.73 ; v1@16823.75,1827.8 ccw(c16782.51,1869.03) 16840.83,1869.03 cw(c16782.51,1869.03) v1@16823.75,1827.8 ; v1@16828.76,1822.79 ccw(c16799.62,1851.92) 16840.83,1851.92 cw(c16799.62,1851.92) v1@16828.76,1822.79 ; v1@16833.77,1817.78 ccw(c16816.73,1834.82) 16840.83,1834.82 cw(c16816.73,1834.82) v1@16833.77,1817.78